# Altium PCB AX7021B.PcbDoc (part 1 of 6) (continued)
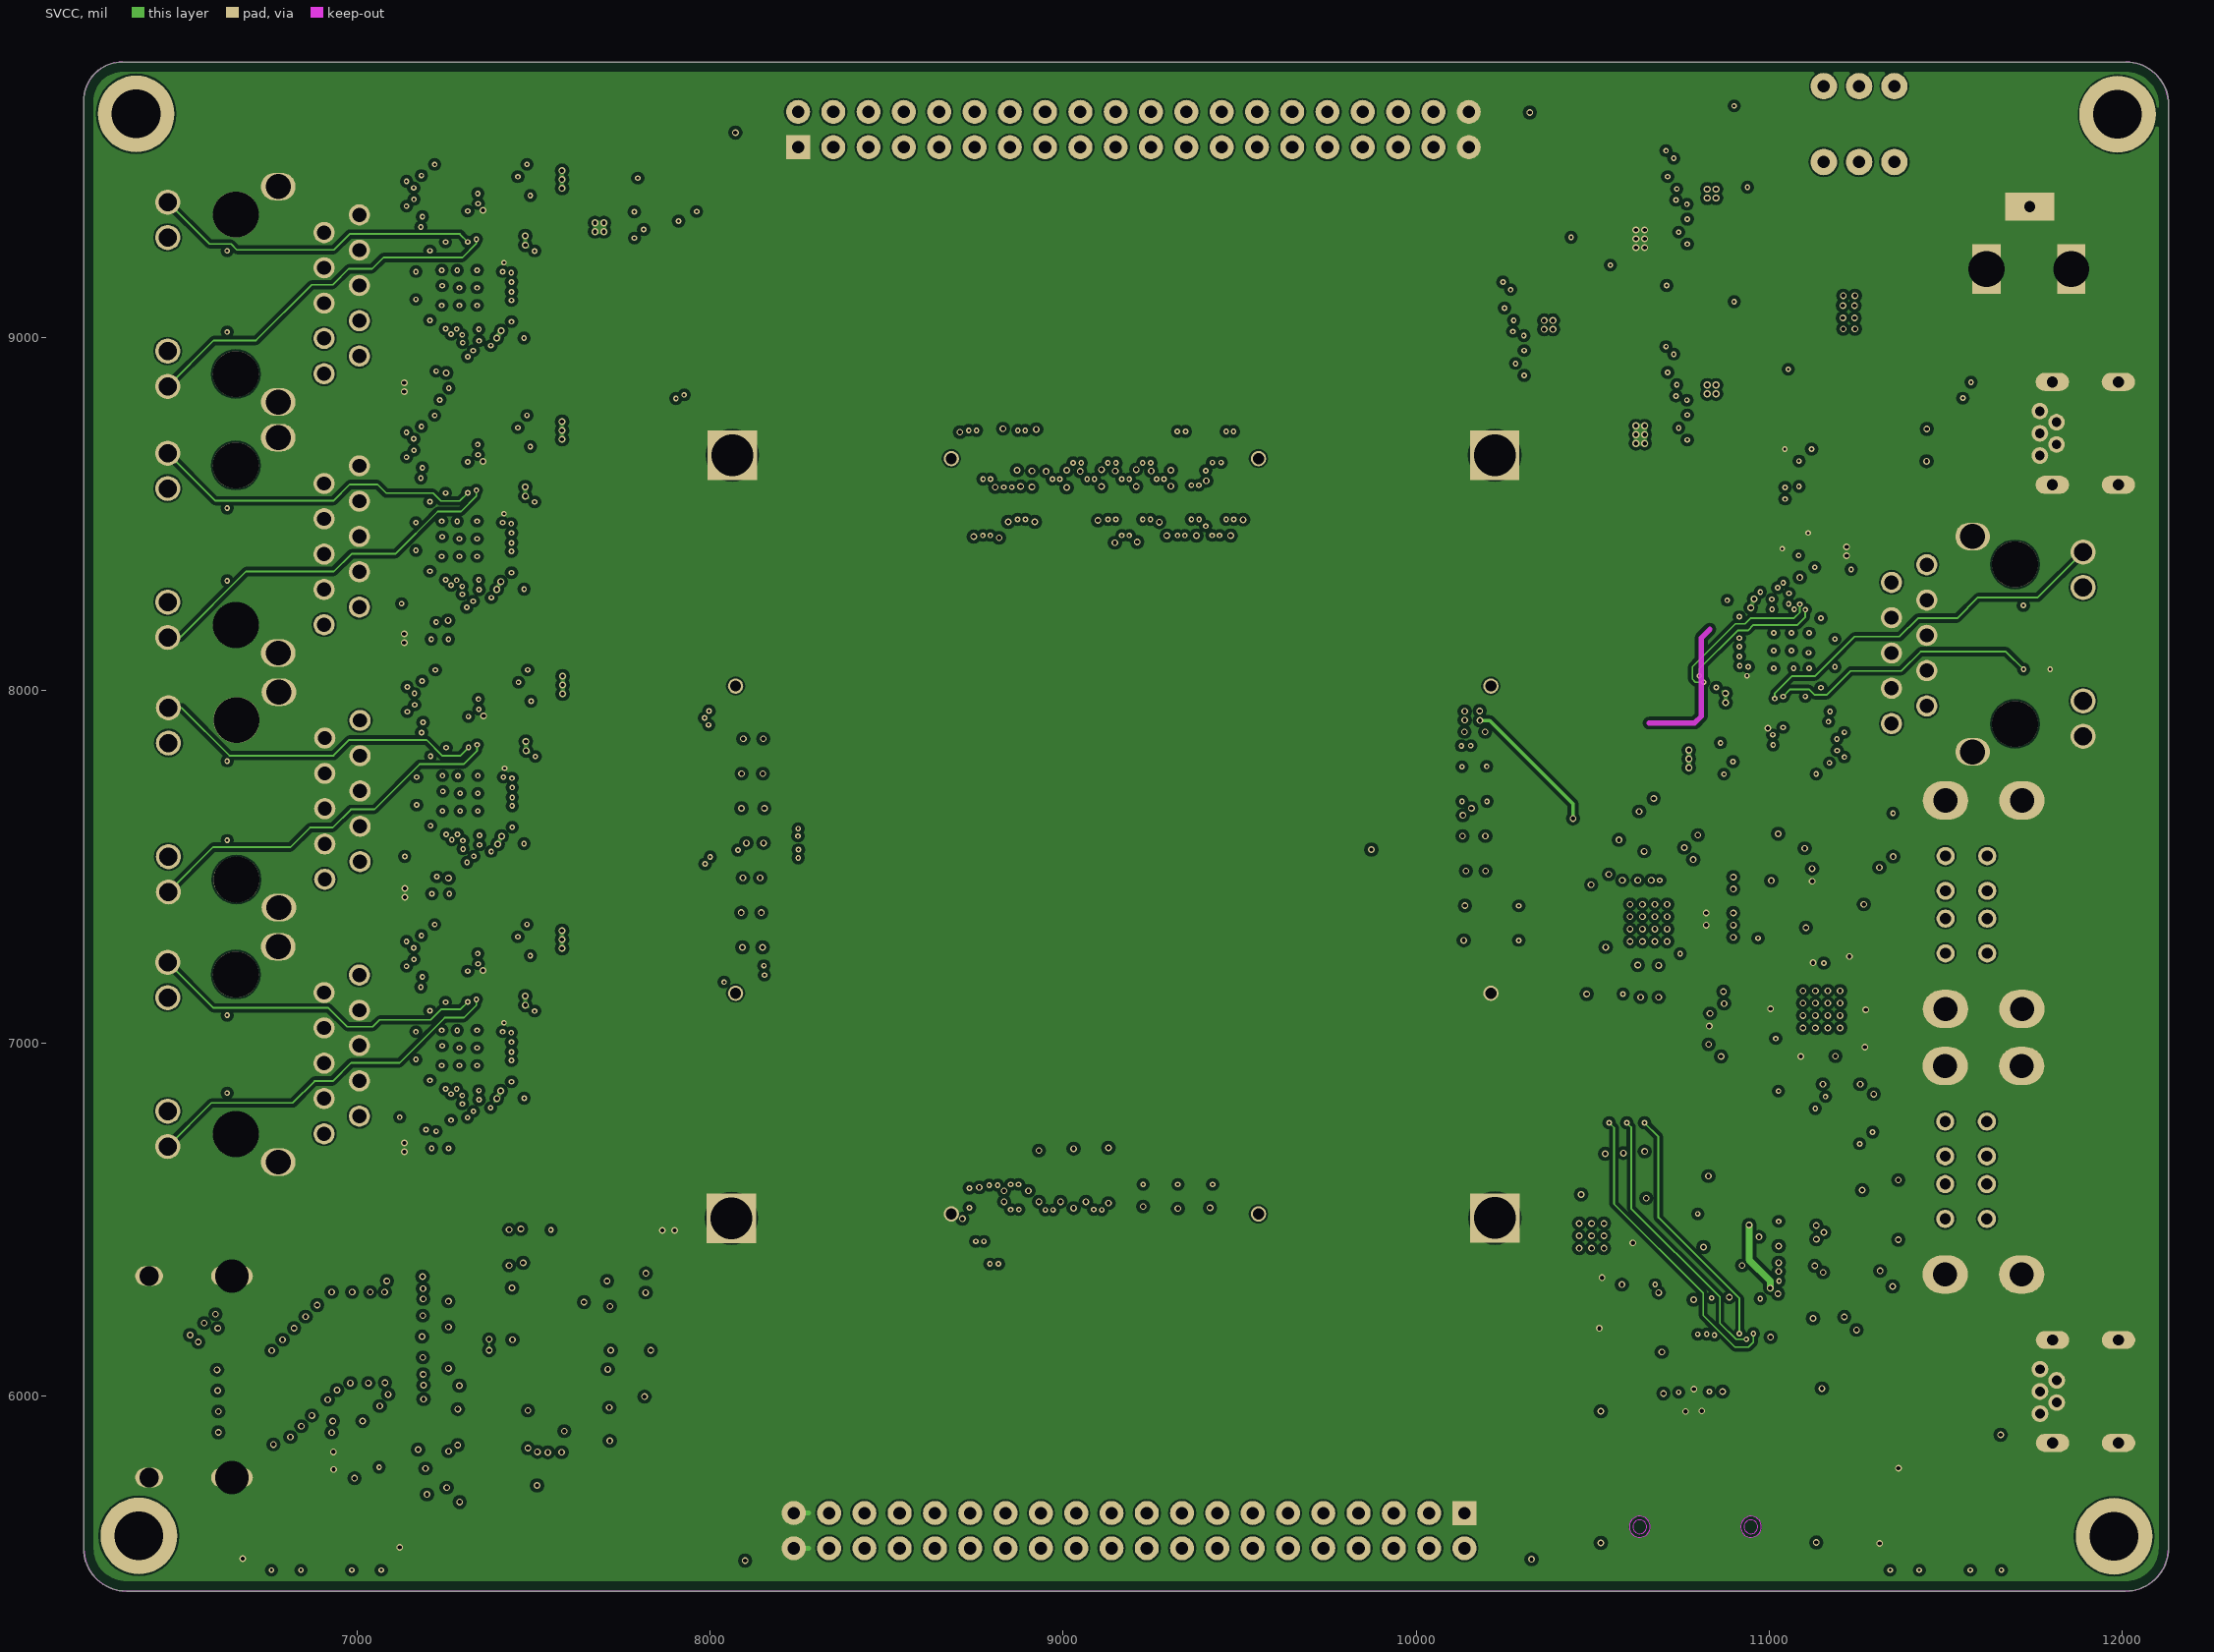
[diagram p3: SVCC]

## Layer stack, top to bottom
Top Solder: solder mask 0.4, Solder Resist, Dk 3.5
TOP: signal copper 1.2
Dielectric 1: core 42.2, FR-4, Dk 4.5
SGND: signal copper 1.2
Dielectric2: core 8, FR-4, Dk 4.5
SVCC: signal copper 1.2
Dielectric3: core 8, FR-4, Dk 4.5
BOTTOM: signal copper 1.2
Bottom Solder: solder mask 0.4, Solder Resist, Dk 3.5

## Board outline
6225.15,9669.72 6225.54,5569.72 6225.54,5569.7 ccw(c6346.51,5569.32) 6346.51,5448.35 12009.51,5448.35 ccw(c12009.51,5570.5) 12131.66,5570.5 12131.66,5570.88 12131.66,5570.9 12132.06,9658.69 ccw(c12010.69,9658.69) 12010.69,9780.06 6335.49,9780.06 ccw(c6335.49,9669.72)

## Design rules (kind name [scope] priority, off if disabled: settings)
Clearance [All] p1: gap=10
PlaneConnect [All] p1: planeconnectstyle=Direct reliefexpansion=20 reliefentries=4 reliefconductorwidth=10 reliefairgap=10
PolygonConnect [All] p1: connectstyle=Direct reliefconductorwidth=10 reliefentries=4 polygonreliefangle="90 Angle" airgapwidth=10
RoutingVias [All] p1: holewidth=28 width=50 viastyle="Through Hole" minholewidth=28 minwidth=50 maxholewidth=28 maxwidth=50
SolderMaskExpansion [All] p1: expansion=4
Width [All] p1: maxlimit=10 minlimit=10 preferedwidth=10 impedancedriven=TRUE minimp=174.070000 maximp=174.070000 favimp=174.070000
29 further rules are at their usual default settings.

## Components (designator, comment, footprint, x,y, rotation, side; value= is the part's Value field where it differs from the comment)
C1 "CAP NP_C0402_0.1UF/25V" C0402#1 10868.04,6126.85 r90 bottom
C2 "CAP NP_C0603_10UF/10V" C0603#1 11626.26,5921.32 r90 bottom
C3 "CAP NP_C0402_0.1UF/25V" C0402#1 10825.04,6129.06 r270 bottom
C4 "CAP NP_C0402_0.1UF/25V" C0402#1 10791.52,6129.06 r270 bottom
C5 "CAP NP_C0402_0.1UF/25V" C0402#1 10631.04,6316.85 r0 bottom
C8 "CAP NP_C0402_0.1UF/25V" C0402#1 10822.04,6340.85 r0 bottom
C9 "CAP NP_C0402_0.1UF/25V" C0402#1 10814.04,6470.85 r90 bottom
C10 "CAP NP_C0402_0.1UF/25V" C0402#1 10938.04,6324.85 r270 bottom
C11 "CAP NP_C0402_0.1UF/25V" C0402#1 11002.04,6469.85 r90 bottom
C12 "CAP NP_C0402_0.1UF/25V" C0402#1 10822.04,6304.85 r0 bottom
C13 "CAP NP_C0402_0.1UF/25V" C0402#1 11002.04,6396.85 r90 bottom
C14 "CAP NP_C0402_0.1UF/25V" C0402#1 11010.04,6248.85 r270 bottom
C15 "CAP NP_C0402_0.1UF/25V" C0402#1 11096.04,6325.85 r180 bottom
C16 "CAP NP_C0402_0.1UF/25V" C0402#1 10973.04,6324.85 r270 bottom
C17 "CAP NP_C0402_0.1UF/25V" C0402#2 10531.04,7139.85 r180 top
C22 "CAP NP_C0603_10UF/10V" C0603#1 10743.51,6083.51 r270 bottom
C23 "CAP NP_C0402_0.1UF/25V" C0402#1 10506.54,6354.82 r270 bottom
C24 "CAP NP_C0402_0.1UF/25V" C0402#1 10469.04,6621.85 r270 bottom
C25 "CAP NP_C0402_0.1UF/25V" C0402#1 10791.04,6058.35 r270 bottom
C52 "CAP NP_C0402_2.2UF/6.3V" C0402#2 10859.28,7369.29 r0 top
C53 "CAP NP_C0402_0.1UF/25V" C0402#2 10859.28,7334.91 r0 top
C54 "CAP NP_C0402_0.1UF/25V" C0402#1 10636.04,7177.85 r90 bottom
C55 "CAP NP_C0402_0.1UF/25V" C0402#1 10535.04,7442.85 r0 bottom
C56 "CAP NP_C0402_0.1UF/25V" C0402#1 10687.04,7177.85 r90 bottom
C57 "CAP NP_C0603_10UF/10V" C0603#1 10589.76,7504.05 r0 bottom
C58 "CAP NP_C0402_4.7UF/10V" C0402#2 10859.28,7300.53 r180 top
C59 "CAP NP_C0402_18PF/6.3V" C0402#2 10681.04,7488.85 r0 top
C60 "CAP NP_C0402_18PF/6.3V" C0402#2 10751.04,7488.85 r180 top
C61 "CAP NP_C0402_0.1UF/25V" C0402#2 10986.79,7593.76 r0 top
C62 "CAP NP_C0805_22UF/25V" C0805#1 11243.61,7498.54 r0 top
C63 "CAP POL_TAN-SMB_100UF/10V" TAN-SMB 11213.04,7338.85 r180 top
C64 "CAP NP_C0402_4.7UF/10V" C0402#2 10968.7,7338 r270 top
C65 "CAP NP_C0603_10UF/10V" C0603#1 7793.69,6417.03 r180 bottom
C66 "C_1_C0402_0.1UF/25V" C0402#1 7765.8,6130.46 r180 bottom
C67 "C_1_C0402_0.1UF/25V" C0402#1 7258.04,5797.85 r270 bottom
C68 "C_1_C0402_0.1UF/25V" C0402#1 7510.8,5794.46 r270 bottom
C69 "C_1_C0402_0.1UF/25V" C0402#1 7660.8,6330.46 r0 bottom
C70 "C_1_C0402_0.1UF/25V" C0402#1 7660.8,6295.46 r0 bottom
C71 "C_1_C0402_0.1UF/25V" C0402#1 7483.8,5912.96 r270 bottom
C72 "C_1_C0402_0.1UF/25V" C0402#1 7470.8,6325.46 r90 bottom
C73 "C_1_C0402_0.1UF/25V" C0402#1 7285.3,5914.96 r270 bottom
C74 "C_1_C0402_0.1UF/25V" C0402#1 7661.3,5901.96 r0 bottom
C75 "C_1_C0402_0.1UF/25V" C0402#1 7430.8,6420.46 r90 bottom
C76 "C_1_C0402_0.1UF/25V" C0402#1 7240.8,5990.46 r0 bottom
C77 "C_1_C0402_0.1UF/25V" C0402#1 7240.8,6230.46 r180 bottom
C78 "C_1_C0402_0.1UF/25V" C0402#1 7240.8,6030.46 r180 bottom
C79 "C_1_C0402_0.1UF/25V" C0402#1 7240.8,6305.46 r180 bottom
C80 "C_1_C0402_0.1UF/25V" C0402#1 7240.8,6110.46 r180 bottom
C81 "CAP NP_C0603_10UF/10V" C0603#1 7409.7,6210.57 r180 bottom
C186 "CAP NP_C0402_0.1UF/25V" C0402#2 7961.81,9392.22 r270 top
C187 "CAP NP_C0402_0.1UF/25V" C0402#2 7749.35,9355.45 r0 top
C188 "CAP NP_C0603_10UF/10V" C0603#2 7755.66,9305.45 r0 top
C189 "CAP NP_C0603_10UF/10V" C0603#2 7910.72,9385.72 r270 top
C190 "CAP NP_C0402_0.1UF/25V" C0402#1 10309.04,5568.85 r180 bottom
C191 "CAP NP_C0402_0.1UF/25V" C0402#1 8117.04,5570.85 r0 bottom
C192 "CAP NP_C0402_0.1UF/25V" C0402#1 8134.55,9682.45 r270 bottom
C193 "CAP NP_C0402_0.1UF/25V" C0402#1 10273.04,9636.85 r180 bottom
C221 "CAP NP_C0603_10UF/10V" C0603#2 11516.04,8872.85 r0 top
C222 "CAP NP_C0402_1UF/25V" C0402#2 11511.62,8827.76 r0 top
C223 "CAP NP_C0402_0.1UF/25V" C0402#1 11251.35,7002.31 r270 bottom
C224 "CAP NP_C0402_2.2UF/6.3V" C0402#2 10853.06,7067.02 r90 top
C225 "CAP NP_C0402_0.1UF/25V" C0402#1 11253.33,7072.62 r90 bottom
C226 "CAP NP_C0402_0.1UF/25V" C0402#1 11227.33,7200.62 r90 bottom
C227 "CAP NP_C0402_0.1UF/25V" C0402#1 11115,7190.6 r90 bottom
C228 "CAP NP_C0402_0.1UF/25V" C0402#1 11046.27,7099.14 r180 bottom
C229 "CAP NP_C0402_0.1UF/25V" C0402#1 11103.73,6999.72 r270 bottom
C230 "CAP NP_C0402_0.1UF/25V" C0402#1 11208.04,6983.2 r270 bottom
C231 "CAP NP_C0402_4.7UF/10V" C0402#1 11168.16,6983.2 r270 bottom
C232 "CAP NP_C0402_0.1UF/25V" C0402#1 11152.16,7191.63 r90 bottom
C233 "CAP NP_C0402_4.7UF/10V" C0402#1 11185.56,7191.79 r90 bottom
C234 "CAP NP_C0402_18PF/6.3V" C0402#2 11240.04,6904.85 r180 top
C235 "CAP NP_C0402_18PF/6.3V" C0402#2 11170.04,6904.85 r0 top
C236 "CAP NP_C0603_10UF/10V" C0603#2 10885.56,6997.23 r180 top
C237 "CAP NP_C0402_4.7UF/10V" C0402#2 11366.1,6485.2 r270 top
C238 "CAP NP_C0402_4.7UF/10V" C0402#2 11366.1,6570.77 r90 top
C239 "CAP NP_C0402_0.1UF/25V" C0402#2 11082.62,8683.37 r0 top
C240 "CAP NP_C0402_0.1UF/25V" C0402#2 11091.48,8419.1 r270 top
C241 "CAP NP_C0402_4.7UF/10V" C0402#2 11329.3,7633.72 r90 top
C242 "CAP NP_C0402_4.7UF/10V" C0402#2 11329.3,7547.12 r270 top
C243 "CAP NP_C0402_18PF/6.3V" C0402#2 11152.75,6307.62 r270 top
C244 "CAP NP_C0402_18PF/6.3V" C0402#2 11152.33,6239.08 r90 top
C615 "CAP NP_C0805_22UF/25V" C0805#1 10310.88,9082.47 r180 top
C616 "CAP NP_C0402_0.01UF/25V" C0402#2 10183.71,9285.23 r180 top
C617 "CAP NP_C0805_22UF/25V" C0805#1 10247.26,8892.42 r0 top
C618 "CAP NP_C0402_150PF/6.3V" C0402#2 10420.75,9196.45 r0 top
C619 "CAP NP_C0805_22UF/25V" C0805#1 10247.26,8963.12 r0 top
C620 "C_1_C0402_0.1UF/25V" C0402#2 10235.53,9016.44 r0 top
C621 "CAP NP_C0805_22UF/25V" C0805#1 10772.92,8899.93 r180 top
C622 "CAP NP_C0402_0.01UF/25V" C0402#2 10645.75,9102.69 r180 top
C623 "CAP NP_C0805_22UF/25V" C0805#1 10709.3,8709.88 r0 top
C624 "CAP NP_C0402_150PF/6.3V" C0402#2 10882.79,9013.91 r0 top
C625 "CAP NP_C0805_22UF/25V" C0805#1 10709.3,8780.58 r0 top
C626 "C_1_C0402_0.1UF/25V" C0402#2 10697.57,8833.9 r0 top
C627 "CAP NP_C0805_22UF/25V" C0805#1 10772.92,9454.68 r180 top
C628 "CAP NP_C0402_0.01UF/25V" C0402#2 10645.75,9657.44 r180 top
C629 "CAP NP_C0402_150PF/6.3V" C0402#2 10882.79,9568.66 r0 top
C630 "CAP NP_C0805_22UF/25V" C0805#1 10709.3,9264.63 r0 top
C631 "CAP NP_C0805_22UF/25V" C0805#1 10709.3,9335.33 r0 top
C632 "C_1_C0402_0.1UF/25V" C0402#2 10697.57,9388.65 r0 top
C670 "C_1_C0402_0.1UF/25V" C0402#2 10785.14,9399.24 r180 top
C671 "C_1_C0402_0.1UF/25V" C0402#2 10785.14,8844.49 r180 top
C672 "C_1_C0402_0.1UF/25V" C0402#2 10323.1,9027.03 r180 top
C673 "CAP_3_C0402_0.1UF/25V" C0402#2 11231.02,7861.92 r180 top
C674 "CAP_3_C0402_1UF/25V" C0402#2 11231.02,7829.41 r180 top
C675 "CAP NP_C0402_18PF/6.3V" C0402#2 11057.68,7911.24 r180 top
C676 "CAP NP_C0402_18PF/6.3V" C0402#2 11131.37,7911.24 r0 top
C1483 "CAP NP_C0805_22UF/25V" C0805#1 10839.49,7798.39 r0 top
C1484 "CAP NP_C0402_0.1UF/25V" C0402#2 10825.51,7851.32 r0 top
C1485 "CAP NP_C0402_0.1UF/25V" C0402#1 11152.26,8125.49 r0 bottom
C1486 "CAP NP_C0402_0.1UF/25V" C0402#1 11137.18,8060.93 r270 bottom
C1487 "CAP NP_C0402_0.1UF/25V" C0402#2 10918.42,8254.99 r180 top
C1488 "CAP NP_C0402_0.1UF/25V" C0402#1 11082.73,7961.83 r0 bottom
C1489 "CAP NP_C0805_22UF/25V" C0805#2 11153.11,8397.34 r0 bottom
C1490 "CAP NP_C0402_0.1UF/25V" C0402#1 11167.05,7983.69 r90 bottom
C1491 "CAP NP_C0402_0.1UF/25V" C0402#1 11165.61,8188.35 r90 bottom
C1492 "CAP NP_C0805_22UF/25V" C0805#2 11011,8074.39 r180 bottom
C1493 "CAP NP_C0402_0.1UF/25V" C0402#1 10997.41,8021.33 r180 bottom
C1494 "CAP NP_C0402_0.1UF/25V" C0402#2 10878.67,8025.98 r180 top
C1495 "CAP NP_C0402_0.1UF/25V" C0402#1 7234.02,7136.22 r0 bottom
C1496 "CAP NP_C0402_0.1UF/25V" C0402#2 7527.58,7248.37 r180 top
C1497 "CAP NP_C0402_0.1UF/25V" C0402#1 7200.83,6974.2 r180 bottom
C1498 "CAP NP_C0805_22UF/25V" C0805#2 7199.98,6702.35 r180 bottom
C1499 "CAP NP_C0402_0.1UF/25V" C0402#1 7177.53,7116 r270 bottom
C1500 "CAP NP_C0402_0.1UF/25V" C0402#1 7187.48,6911.34 r270 bottom
C1501 "CAP NP_C0805_22UF/25V" C0805#2 7342.09,7025.3 r0 bottom
C1502 "CAP NP_C0402_0.1UF/25V" C0402#1 7355.68,7078.36 r0 bottom
C1503 "CAP NP_C0402_0.1UF/25V" C0402#2 7474.42,7073.71 r0 top
C1504 "CAP NP_C0603_NC" C0603#2 11129.13,8293.82 r90 top
C1505 "CAP NP_C0402_18PF/6.3V" C0402#2 7295.41,7188.45 r0 top
C1506 "CAP NP_C0402_18PF/6.3V" C0402#2 7221.72,7188.45 r180 top
C1507 "CAP NP_C0805_22UF/25V" C0805#1 7513.6,7301.3 r180 top
C1508 "CAP NP_C0402_0.1UF/25V" C0402#2 7434.67,6844.7 r0 top
C1509 "CAP NP_C0402_0.1UF/25V" C0402#1 7215.91,7038.76 r90 bottom
C1510 "CAP NP_C0603_10UF/10V" C0603#2 7223.96,6805.87 r270 top
C1511 "CAP_3_C0402_0.1UF/25V" C0402#2 7122.07,7237.77 r0 top
C1512 "CAP_3_C0402_1UF/25V" C0402#2 7122.07,7270.28 r0 top
C1513 "CAP NP_C0402_18PF/6.3V" C0402#2 7297.4,7909.46 r0 top
C1514 "CAP NP_C0402_18PF/6.3V" C0402#2 7223.71,7909.46 r180 top
C1515 "CAP NP_C0805_22UF/25V" C0805#1 7515.59,8022.31 r180 top
C1516 "CAP NP_C0402_0.1UF/25V" C0402#2 7529.57,7969.38 r180 top
C1517 "CAP NP_C0402_0.1UF/25V" C0402#1 7236.01,7857.23 r0 bottom
C1518 "CAP NP_C0402_0.1UF/25V" C0402#1 7217.9,7759.77 r90 bottom
C1519 "CAP NP_C0402_0.1UF/25V" C0402#2 7436.66,7565.71 r0 top
C1520 "CAP NP_C0402_0.1UF/25V" C0402#1 7202.82,7695.21 r180 bottom
C1521 "CAP NP_C0805_22UF/25V" C0805#2 7201.97,7423.36 r180 bottom
C1522 "CAP NP_C0402_0.1UF/25V" C0402#1 7179.52,7837.01 r270 bottom
C1523 "CAP NP_C0402_0.1UF/25V" C0402#1 7189.47,7632.35 r270 bottom
C1524 "CAP NP_C0805_22UF/25V" C0805#2 7344.08,7746.31 r0 bottom
C1525 "CAP NP_C0402_0.1UF/25V" C0402#1 7357.67,7799.37 r0 bottom
C1526 "CAP NP_C0402_0.1UF/25V" C0402#2 7476.41,7794.72 r0 top
C1527 "CAP NP_C0603_10UF/10V" C0603#2 7225.95,7526.88 r270 top
C1528 "CAP_3_C0402_0.1UF/25V" C0402#2 7124.06,7958.78 r0 top
C1529 "CAP_3_C0402_1UF/25V" C0402#2 7124.06,7991.29 r0 top
C1530 "CAP NP_C0402_18PF/6.3V" C0402#2 7295.4,8630.46 r0 top
C1531 "CAP NP_C0402_18PF/6.3V" C0402#2 7221.71,8630.46 r180 top
C1532 "CAP NP_C0805_22UF/25V" C0805#1 7513.59,8743.31 r180 top
C1533 "CAP NP_C0402_0.1UF/25V" C0402#2 7527.57,8690.38 r180 top
C1534 "CAP NP_C0402_0.1UF/25V" C0402#1 7234.01,8578.23 r0 bottom
C1535 "CAP NP_C0402_0.1UF/25V" C0402#1 7215.9,8480.77 r90 bottom
C1536 "CAP NP_C0402_0.1UF/25V" C0402#2 7434.66,8286.71 r0 top
C1537 "CAP NP_C0402_0.1UF/25V" C0402#1 7200.82,8416.21 r180 bottom
C1538 "CAP NP_C0805_22UF/25V" C0805#2 7199.97,8144.36 r180 bottom
C1539 "CAP NP_C0402_0.1UF/25V" C0402#1 7177.52,8558.01 r270 bottom
C1540 "CAP NP_C0402_0.1UF/25V" C0402#1 7187.47,8353.35 r270 bottom
C1541 "CAP NP_C0805_22UF/25V" C0805#2 7342.08,8467.31 r0 bottom
C1542 "CAP NP_C0402_0.1UF/25V" C0402#1 7355.67,8520.37 r0 bottom
C1543 "CAP NP_C0402_0.1UF/25V" C0402#2 7474.41,8515.72 r0 top
C1544 "CAP NP_C0603_10UF/10V" C0603#2 7223.95,8247.88 r270 top
C1545 "CAP_3_C0402_0.1UF/25V" C0402#2 7122.06,8679.78 r0 top
C1546 "CAP_3_C0402_1UF/25V" C0402#2 7122.06,8712.29 r0 top
C1547 "CAP NP_C0402_18PF/6.3V" C0402#2 7295.4,9341.46 r0 top
C1548 "CAP NP_C0402_18PF/6.3V" C0402#2 7221.71,9341.46 r180 top
C1549 "CAP NP_C0805_22UF/25V" C0805#1 7513.59,9454.31 r180 top
C1550 "CAP NP_C0402_0.1UF/25V" C0402#2 7527.57,9401.38 r180 top
C1551 "CAP NP_C0402_0.1UF/25V" C0402#1 7200.82,9127.21 r180 bottom
C1552 "CAP NP_C0402_0.1UF/25V" C0402#1 7234.01,9289.23 r0 bottom
C1553 "CAP NP_C0402_0.1UF/25V" C0402#2 7434.66,8997.71 r0 top
C1554 "CAP NP_C0402_0.1UF/25V" C0402#1 7215.9,9191.77 r90 bottom
C1555 "CAP NP_C0805_22UF/25V" C0805#2 7199.97,8855.36 r180 bottom
C1556 "CAP NP_C0402_0.1UF/25V" C0402#1 7177.52,9269.01 r270 bottom
C1557 "CAP NP_C0402_0.1UF/25V" C0402#1 7187.47,9064.35 r270 bottom
C1558 "CAP NP_C0402_0.1UF/25V" C0402#1 7355.67,9231.37 r0 bottom
C1559 "CAP NP_C0805_22UF/25V" C0805#2 7342.08,9178.31 r0 bottom
C1560 "CAP NP_C0402_0.1UF/25V" C0402#2 7474.41,9226.72 r0 top
C1561 "CAP NP_C0603_10UF/10V" C0603#2 7223.95,8958.88 r270 top
C1562 "CAP_3_C0402_0.1UF/25V" C0402#2 7122.06,9390.78 r0 top
C1563 "CAP_3_C0402_1UF/25V" C0402#2 7122.06,9423.29 r0 top
CN1 "AJ243_0_CN1-DCJACK_AJ243-3-3C" CN1-DCJACK 11851.04,9228.86 r90 top
CON1 "CON40X2_0_0_AXK680337YG_CON40X2" AXK680337YG 10164.4,7577.22 r270 top
CON2 "CON40X2_0_1_AXK680337YG_CON40X2" AXK680337YG 9118.4,8609.22 r0 top
CON3 "CON40X2_0_2_AXK680337YG_CON40X2" AXK680337YG 8119.4,7577.22 r90 top
CON4 "CON40X2_0_3_AXK680337YG_CON40X2" AXK680337YG 9118.4,6564.22 r180 top
D2 "BZX84C36/SOT_0_SOD-523_BAS16XV2" SOD-523#1 10678.34,7577.98 r90 bottom
D3 "BZX84C36/SOT_0_SOD-523_BAS16XV2" SOD-523#2 10899.88,6942.28 r270 top
D35 "BZX84C36/SOT_0_SOD-523_BAS16XV2" SOD-523#2 11212.48,8310.99 r180 top
F1 "FUSE/SM_L0603_SMD0603P014TF-33" L0603#1 6636.04,6137.85 r0 bottom
F2 "FUSE_FUSE_1812_2A" FUSE_1812 11107.7,9145.32 r270 top
H1 "TEST POINT_HOLE_NC" HOLE 6374.04,9632.85 r0 top
H2 "TEST POINT_HOLE_NC" HOLE 11977.04,5603.85 r0 top
H3 "TEST POINT_HOLE_NC" HOLE 11987.04,9631.85 r0 top
H4 "TEST POINT_HOLE_NC" HOLE 6382.04,5604.85 r0 top
HOLE1 "TEST POINT_FPAD_1_NC" FPAD_1 8062.7,8666.22 r0 top
HOLE2 "TEST POINT_FPAD_1_NC" FPAD_1 8060.5,6504.72 r0 top
HOLE3 "TEST POINT_FPAD_1_NC" FPAD_1 10223.1,6505.22 r0 top
HOLE4 "TEST POINT_FPAD_1_NC" FPAD_1 10222.6,8666.22 r0 top
J1 "USB_B_3_MINI_USB_DIP_MINI_USB" MINI_USB_DIP 11938.56,6014.14 r90 top
J2 "USB_B_3_MINI_USB_DIP_MINI_USB" MINI_USB_DIP 11938.06,8727.98 r90 top
J3 "MICRO SD_1_MICRO_SD_MICRO SD" MICRO_SD 10825.04,5787.35 r0 top
J4 "GE_RJ45_2_GE_RJ45_HR911130A" GE_RJ45 11709.05,8130.86 r0 top
J5 "DUAL USB_DUAL_USB_DUAL USB" DUAL_USB 11784.04,6640.85 r90 top
J6 "DUAL USB_DUAL_USB_DUAL USB" DUAL_USB 11785.04,7392.85 r90 top
J9 "HDMI CONNECTOR_0_HDMI_A_TYPE_HD" HDMI_A_TYPE 6481.36,6055.72 r0 top
J10 "GE_RJ45_2_GE_RJ45_HR911130A" GE_RJ45 6644.04,6968.83 r180 top
J11 "GE_RJ45_2_GE_RJ45_HR911130A" GE_RJ45 6646.03,7689.84 r180 top
J12 "GE_RJ45_2_GE_RJ45_HR911130A" GE_RJ45 6644.03,8410.84 r180 top
J13 "GE_RJ45_2_GE_RJ45_HR911130A" GE_RJ45 6644.03,9121.84 r180 top
J15 "HEADER 20X2/M_IDC-40J_BH2X20P_2" IDC-40J 9187.04,5619.85 r180 top
J16 "HEADER 20X2/M_IDC-40J_BH2X20P_2" IDC-40J 9199.04,9588.35 r0 top
KEY1 "BUTTON_0_KEY_4X4X1_5_BUTTON" KEY_4X4X1_5 11501.33,5583.38 r180 top
KEY2 "BUTTON_0_KEY_4X4X1_5_BUTTON" KEY_4X4X1_5 6914.86,5583.38 r180 top
L1 "INDUCTOR_L0603_120OHM@100MHZ" L0603#1 10920.04,6421.85 r180 bottom
L2 "INDUCTOR_L0603_120OHM@100MHZ" L0603#1 11057.04,6257.85 r270 bottom
L3 "INDUCTOR_L0603_120OHM@100MHZ" L0603#1 10892.04,6340.85 r90 bottom
L7 "INDUCTOR_L0603_600OHM@100MHZ" L0603#1 7792.8,6470.46 r0 bottom
L8 "INDUCTOR_L0603_600OHM@100MHZ" L0603#1 7375.8,6315.46 r90 bottom
L9 "INDUCTOR_L0603_600OHM@100MHZ" L0603#1 7323.04,6315.85 r90 bottom
L26 "INDUCTOR_L0603_600OHM@100MHZ" L0603#2 11289.82,6503.7 r180 top
L27 "INDUCTOR_L0603_600OHM@100MHZ" L0603#2 11250.21,7616.77 r180 top
L29 "INDUCTOR_L0603_600OHM@100MHZ" L0603#2 11289.82,6555.7 r180 top
L30 "INDUCTOR_L0603_600OHM@100MHZ" L0603#2 11251.24,7566.28 r180 top
L39 "CHOKE RF-IRON_0_L4_4X4_2_CMLB04" L4_4X4_2 10130.13,9143.63 r0 top
L40 "CHOKE RF-IRON_0_L4_4X4_2_CMLB04" L4_4X4_2 10592.17,8961.09 r0 top
L41 "CHOKE RF-IRON_0_L4_4X4_2_CMLB04" L4_4X4_2 10592.17,9515.84 r0 top
L62 "INDUCTOR_LVS303010_2.2UH" LVS303010 10856.87,7940.11 r90 top
L63 "INDUCTOR_L0603_120OHM@100MHZ" L0603#1 11192.75,8284.79 r90 bottom
L64 "INDUCTOR_L0603_120OHM@100MHZ" L0603#1 11110.83,7885.83 r270 bottom
L65 "INDUCTOR_L0603_120OHM@100MHZ" L0603#1 10935.5,7979.04 r180 bottom
L66 "INDUCTOR_LVS303010_2.2UH" LVS303010 7496.22,7159.58 r270 top
L67 "INDUCTOR_L0603_120OHM@100MHZ" L0603#1 7160.34,6814.9 r270 bottom
L68 "INDUCTOR_L0603_120OHM@100MHZ" L0603#1 7242.26,7213.86 r90 bottom
L69 "INDUCTOR_L0603_120OHM@100MHZ" L0603#1 7417.59,7120.65 r0 bottom
L70 "INDUCTOR_LVS303010_2.2UH" LVS303010 7498.21,7880.59 r270 top
L71 "INDUCTOR_L0603_120OHM@100MHZ" L0603#1 7162.33,7535.91 r270 bottom
L72 "INDUCTOR_L0603_120OHM@100MHZ" L0603#1 7244.25,7934.87 r90 bottom
L73 "INDUCTOR_L0603_120OHM@100MHZ" L0603#1 7419.58,7841.66 r0 bottom
L74 "INDUCTOR_LVS303010_2.2UH" LVS303010 7496.21,8601.59 r270 top
L75 "INDUCTOR_L0603_120OHM@100MHZ" L0603#1 7160.33,8256.91 r270 bottom
L76 "INDUCTOR_L0603_120OHM@100MHZ" L0603#1 7242.25,8655.87 r90 bottom
L77 "INDUCTOR_L0603_120OHM@100MHZ" L0603#1 7417.58,8562.66 r0 bottom
L78 "INDUCTOR_LVS303010_2.2UH" LVS303010 7496.21,9312.59 r270 top
L79 "INDUCTOR_L0603_120OHM@100MHZ" L0603#1 7160.33,8967.91 r270 bottom
L80 "INDUCTOR_L0603_120OHM@100MHZ" L0603#1 7242.25,9366.87 r90 bottom
L81 "INDUCTOR_L0603_120OHM@100MHZ" L0603#1 7417.58,9273.66 r0 bottom
LED1 "LN211WP_LED0805_RED" LED0805 11444.64,5796.08 r90 top
LED2 "LN211WP_LED0805_RED" LED0805 6639.87,5579.75 r180 top
LED9 "LED_LED0805_RED" LED0805 11239.89,8909.48 r270 top
R3 "RESISTOR_R0402_33R" R0402#1 11034.35,6681.33 r270 top
R4 "RESISTOR_R0402_33R" R0402#1 11000.39,6681.33 r270 top
R5 "RESISTOR_R0402_33R" R0402#1 10966.46,6681.33 r270 top
R6 "RESISTOR_R0402_33R" R0402#1 10933.31,6681.33 r270 top
R7 "RESISTOR_R0402_10K/1%" R0402#2 10631.04,6351.07 r180 bottom
R8 "RESISTOR_R0402_12.1K/1%" R0402#2 11091.16,6375.01 r180 bottom
R9 "RESISTOR_R0402_10K/1%" R0402#1 10547.08,6733.97 r270 top
R10 "RESISTOR_R0402_10K/1%" R0402#1 10596.88,6733.97 r270 top
R11 "RESISTOR_R0402_10K/1%" R0402#1 10647.36,6733.97 r270 top
R12 "RESISTOR_R0402_2K" R0402#1 10697.28,6733.97 r90 top
R16 "RESISTOR_R0402_NC" R0402#2 10743.76,5975.49 r90 bottom
R17 "RESISTOR_R0402_4.7K" R0402#2 10830.58,5976.67 r90 bottom
R18 "RESISTOR_R0402_4.7K" R0402#1 10651.85,6522.31 r270 top
R19 "RESISTOR_R0402_10K/1%" R0402#1 10478.6,6193.03 r0 top
R20 "RESISTOR_R0402_330R" R0402#1 10478.6,6158.98 r180 top
R36 "RESISTOR_R0402_1.5K" R0402#2 10592.59,7554.47 r0 bottom
R37 "RESISTOR_R0402_33R" R0402#1 10488.46,7486.42 r0 top
R38 "RESISTOR_R0402_1M" R0402#1 10715.86,7525.66 r180 top
R39 "RESISTOR_R0402_8.06K" R0402#1 10859.28,7471.2 r180 top
R40 "RESISTOR_R0402_1K" R0402#1 10859.28,7403.01 r180 top
R41 "RESISTOR_R0402_100K/1%" R0402#1 11100.69,7441.32 r270 top
R42 "RESISTOR_R0402_10K/1%" R0402#1 11100.69,7513 r90 top
R43 "R_0_R0603_0R" R0603 7230.8,5903.46 r90 bottom
R44 "R_0_R0402_33R" R0402#1 6975.06,5963.47 r180 top
R45 "R_0_R0402_33R" R0402#1 6975.06,5864.59 r180 top
R46 "R_0_R0402_10K/1%" R0402#1 7252.22,5700.87 r0 top
R47 "R_0_R0402_33R" R0402#2 7154.8,5795.6 r0 bottom
R48 "R_0_R0402_4.7K" R0402#1 6974.36,5831.25 r180 top
R49 "R_0_R0402_4.7K" R0402#1 6974.18,5793.14 r180 top
R50 "R_0_R0402_10K/1%" R0402#1 7180.13,5701.24 r0 top
R51 "R_0_R0402_698R" R0402#2 7122.8,6327.58 r180 bottom
R52 "R_0_R0402_10K/1%" R0402#2 7154.8,5828.32 r180 bottom
R53 "R_0_R0402_10K/1%" R0402#1 6975.06,5930.51 r0 top
R54 "R_0_R0402_10K/1%" R0402#1 6975.06,5897.55 r0 top
R119 "RESISTOR_R0402_10K/1%" R0402#1 11292.62,5601.44 r270 top
R121 "RESISTOR_R0402_1K" R0402#1 11292.62,5672.32 r90 top
R123 "RESISTOR_R0402_10K/1%" R0402#1 7142.08,5590.4 r270 top
R129 "RESISTOR_R0402_1K" R0402#1 7175.83,5590.4 r270 top
R131 "RESISTOR_R0402_220R" R0402#1 11591.69,5796.66 r180 top
R133 "RESISTOR_R0402_220R" R0402#1 6702.8,5601.39 r90 top
R137 "RESISTOR_R0402_680R" R0402#1 11093.99,8909.38 r0 top
R150 "RESISTOR_R0402_22R" R0402#1 11083.4,6881.98 r90 top
R151 "RESISTOR_R0402_22R" R0402#1 11117.35,6881.98 r90 top
R152 "RESISTOR_R0402_10K/1%" R0402#1 11049.05,6882.75 r90 top
R153 "RESISTOR_R0402_1.5K" R0402#1 10908.56,7044.25 r180 top
R154 "RESISTOR_R0402_10K/1%" R0402#1 10908.56,7146.81 r0 top
R155 "RESISTOR_R0402_10K/1%" R0402#1 10908.56,7112.7 r0 top
R156 "RESISTOR_R0402_10K/1%" R0402#1 10908.56,7078.22 r0 top
R157 "RESISTOR_R0402_1M" R0402#1 11205.12,6870.92 r180 top
R158 "RESISTOR_R0402_12K/1%" R0402#1 11296.49,6895.07 r90 top
R159 "RESISTOR_R0402_10K/1%" R0402#1 11420.44,8882.47 r0 top
R160 "RESISTOR_0_R0402_1K" R0402#1 11057.39,8419.3 r90 top
R162 "RESISTOR_R0402_10K/1%" R0402#1 10859.28,7437.32 r0 top
R163 "RESISTOR_R0402_10K/1%" R0402#2 11037.5,7033.75 r270 bottom